# Allegro board gps_interface_boardv51ph.brd (continued)
## Routing (per net, layer and track width the routed paths; a pad name or vN(x,y) marks a point on that pad's centre or on a via; arc(x,y) is an arc through that point) (continued)
VCC3V3: length 439.5
  TOP w0.165: v1(135.89,64.74) C2724.2 C2729.1 136.29,66.97 U104.18 ; v1(22.01,91.28) C272.2 U46.8 ; 140.74,72.41 140.38,72.06 U104.32 ; 140.74,72.41 141.08,72.76 ; 140.74,72.41 140.74,71.78 140.52,71.56 U104.31 ; U107.13 140.15,90.77 140.64,90.27 C2744.1 C2740.2 v1(143.54,90.27) ; U106.5 v1(148.01,95.63) ; 140.46,72.76 141.08,72.76 ; 140.46,72.76 139.66,73.56 139.17,73.56 138.79,73.18 U104.2 ; 140.46,72.76 U104.1 ; 141.08,72.76 C2727.1 C2731.1 C2722.2 C2726.2 v1(146.97,73) ; U49.8 79.32,14.63 C108.1 v1(80.31,14.66) ; R164.1 v1(245.52,81.16) ; R227.1 v1(171.89,81.16) ; U107.5 136.08,92.27 135.61,92.73 C2745.1 C2741.2 v1(132.59,92.73) ; R143.1 v1(267.82,81.16) ; U107.16 139.99,92.27 140.46,92.73 C2743.1 C2739.2 v1(143.54,92.73) ; v1(103.53,37.54) 103.71,37.54 103.88,37.38 C112.1 ; v1(214.96,10.36) C270.2 U53.24 ; R206.1 v1(192.81,80.24) ; v1(122.69,78.73) 122.22,79.2 R24.1 ; R205.1 192.81,87.02 v1(193.12,87.33) ; R142.1 v1(267.77,86.43) ; v1(198.6,10.16) C271.2 U52.24 ; U104.10 134.47,71.56 133.96,71.05 ; U105.5 v1(125.23,123.84) ; R122.1 v1(289.9,81.06) ; U104.12 134.47,70.56 133.98,71.05 133.96,71.05 ; 133.96,71.05 131.65,71.05 C2730.1 C2725.2 v1(130.05,72.19) ; U107.8 136.03,90.77 135.54,90.27 C2746.1 135.1,90.25 C2742.2 v1(132.59,90.25) ; R121.1 v1(289.9,86.35) ; R184.1 v1(216.31,86.45) ; v1(140.18,64.46) C2723.2 C2728.1 139.29,67.46 U104.24 ; R226.1 v1(171.89,86.45) ; R163.1 v1(245.52,86.45) ; v1(97.38,116.15) 97.7,115.83 C113.1 98.45,115.78 U19.24 ; R185.1 v1(216.31,81.16) ; D40.2 v1(115.42,124.94) ; D24.2 v1(239.66,77.13)
  TOP w0.203: D28.2 v1(209.6,78.79) ; R76.2 v1(65.35,11.18) ; D20.2 v1(256.97,77.55) ; R75.2 v1(65.84,7.59) ; U10.10 62.61,85.73 v1(61.26,87.07) ; D42.2 126.47,100.69 v1(127.71,101.93) ; Q11.3 v1(82.98,8.71) ; v1(65.15,14.12) 65.65,14.12 66.03,14.5 R77.2 ; Q12.3 v1(88.01,8.73) ; D32.2 v1(187.3,78.79) ; v1(103.53,37.54) 103.84,37.24 103.84,35.43 U18.15 ; R247.2 v1(195.12,12.94) ; D36.2 v1(165.18,78.79) ; D16.2 v1(279.04,77.44)
  TOP w0.305: L17.1 v1(157.02,101.93) ; L20.1 v1(127.71,101.93) ; v1(276.25,99.34) 276.25,99.89 276.43,100.06 L7.1 276.43,104.58 276.33,104.68 v1(276.33,105.51) ; v1(202.84,98.78) L13.1 v1(201.6,101.93) ; IC2.1 289.34,23.32 289.6,23.57 291.85,23.57 v1(292.35,24.08) ; IC1.1 281.13,22.76 280.67,22.3 v1(280.67,21.49) ; v1(179.17,101.93) L15.1 180.54,99.36 v1(181,98.91) ; v1(266.9,13.18) 266.52,13.56 Q14.3 ; v1(176.71,102.08) L18.1 175.51,100.05 v1(176.07,99.49) ; v1(220.42,99.47) 219.94,99.95 L14.1 v1(221.39,102.08) ; v1(146.91,105.16) 146.28,104.52 L21.1 146.28,100.05 v1(146.84,99.49) ; v1(249.73,105.08) 249.15,104.5 L12.1 249.15,100.03 v1(249.73,99.44) ; R266.2 v1(69.28,133.43) ; v1(272.21,104.95) 271.45,104.19 L10.1 271.45,100.23 v1(272.14,99.54) ; v1(293.95,99.49) 293.52,99.92 L8.1 293.52,104.37 293.83,104.67 v1(293.83,105.26) ; v1(198.4,105.18) 197.64,104.42 L16.1 197.64,100.08 v1(198.25,99.47) ; v1(231.44,104.62) 232.05,104.01 L11.1 v1(232.05,98.7) ; v1(254.08,99.42) 254.36,99.69 L9.1 254.36,104.19 v1(253.62,104.93) ; D1.2 v1(105.47,69.67) ; Q10.3 v1(232.05,5.51)
  TOP w0.33: v1(115.22,37.24) C109.2 115.22,34.71 U17.1
  TOP w0.508: L22.2 v1(184.63,13.72)
  BOTTOM w0.165: R100.2 R98.2 ; v1(264.57,124.26) 264.9,123.92 R145.1 ; R102.2 R103.2
  BOTTOM w0.203: C2712.1 v1(129.77,99.29) ; v1(167.11,123.92) R232.1 R234.1 R230.1 v1(163.25,123.92) ; v1(185.38,123.92) R209.1 R213.1 R211.1 v1(189.24,123.92) ; U32.5 231.58,78.04 v1(232.21,77.42) ; v1(286.54,124.23) 286.85,123.92 R124.1 ; v1(106.83,107.77) 107.07,108.01 R103.2 ; R87.1 v1(85.8,122.91) ; v1(240.56,124.23) 240.49,124.3 240.21,124.3 R169.1 R171.1 R167.1 v1(236.91,123.92) ; v1(137.88,123.92) R2679.1 R2681.1 R2677.1 v1(134.02,123.92) ; 282.35,123.92 R125.1 ; 282.35,123.92 v1(281.29,123.92) ; 282.35,123.92 283.29,123.92 ; v1(211.54,123.92) R190.1 R192.1 R188.1 v1(207.68,123.92) ; R85.1 v1(87.25,122.91) ; R101.2 v1(126.47,111.56) ; R98.2 v1(110.31,110.16) ; v1(180.7,77.42) 180.07,78.04 U40.5 ; v1(242.27,124.16) 242.52,124.16 242.75,123.92 R166.1 ; Q7.3 v1(94.91,97.71) ; R81.2 v1(112.24,31.48) ; C155.1 254.94,99.72 v1(255.27,99.39) ; C202.1 v1(203.43,99.29) ; C248.1 v1(175.03,99.11) ; R88.1 v1(76.53,122.91) ; R252.2 v1(205.82,5.84) ; R97.2 v1(126.47,107.92) ; R251.2 v1(221.16,5.51) ; v1(262.84,124.26) 262.47,124.26 R148.1 R150.1 R146.1 v1(259.21,123.92) ; C247.1 v1(159,99.29) ; v1(248.36,99.34) 248.67,99.65 C179.1 ; R92.1 v1(124.08,118.9) ; U24.5 275.96,77.94 v1(276.58,77.32) ; 283.29,123.92 284.2,123.92 R127.1 284.54,124.26 v1(284.91,124.26) ; 283.29,123.92 R129.1 ; U28.5 253.89,78.04 v1(254.51,77.42) ; R38.2 v1(94.77,101.32) ; C178.1 v1(232.64,99.29) ; C225.1 197.16,99.98 v1(196.8,99.62) ; C201.1 v1(219.46,99.11) ; R2676.1 v1(138.95,123.92) ; v1(203,77.42) 202.37,78.04 U36.5 ; R208.1 v1(190.3,123.92) ; R99.2 v1(126.47,109.75) ; R246.2 v1(207.47,5.84) ; R187.1 v1(212.61,123.92) ; R86.1 v1(75.03,122.91) ; R91.1 v1(116,118.9) ; U44.5 v1(157.95,77.98) ; R83.1 v1(88.72,122.91) ; R245.2 v1(219.38,5.49) ; C132.1 293.04,99.82 v1(292.74,99.52) ; R90.1 v1(78.08,122.91) ; R229.1 v1(168.18,123.92) ; R84.1 v1(73.51,122.91) ; C156.1 v1(270.97,99.11) ; C133.1 277.01,99.67 v1(277.42,99.26) ; v1(130.3,77.37) 129.46,78.21 C22.1 128.2,77.42 128.43,77.19 L5.1 v1(130.1,76.12) ; R96.2 v1(110.26,108.41) ; C2713.1 v1(145.8,99.11) ; C224.1 181.13,99.85 v1(181.76,99.21) ; R89.1 v1(84.33,122.91)
  BOTTOM w0.305: C7.1 v1(88.8,127.61) ; L1.1 v1(86.21,127.1) ; 27.74,75.18 27.74,72.72 ; 27.74,75.18 Q4.3 ; 27.74,75.18 v1(27.74,89.81) ; 27.74,72.72 26.95,71.93 R50.2 ; 27.74,72.72 27.74,70.99 31.04,67.69 31.04,35.64 28.93,33.53 13.59,33.53 10.72,30.66 10.72,28.93 8.53,26.75 5.46,26.75 4.97,27.24 Q3.3 4.97,32.32 R40.2 ; Q1.3 v1(100.75,62.38) ; v1(280.67,21.49) 271.22,21.49 269.93,22.78 269.93,24.6 270.59,25.27 R107.2 ; Q5.3 v1(59.56,102.72) ; Q6.3 v1(59.36,69.22) ; R61.2 57.84,66.07 58.24,66.47 v1(58.88,66.47) ; R111.2 301.4,26.54 300.13,27.81 296.09,27.81 v1(292.35,24.08) ; C117.1 P1.9 ; R56.2 v1(58.17,99.52) ; v1(93.17,69.27) C13.1 94.84,68.42 94.55,68.14 L3.1 v1(92.81,67.11)
  vias: v1(57.84,87.07) v1(58.93,88.44) v1(58.93,87.07) v1(58.98,89.79) v1(60.05,88.47) v1(60.07,89.79) v1(60.07,87.07) v1(61.21,89.79) v1(61.26,88.52)
VCC3V3_LFILT: length 10.7
  TOP w0.305: U1.2 80.84,134.62 v1(81.75,135.53)
  BOTTOM w0.305: L1.2 86.21,131.47 86.21,131.47 C9.1 84.89,133.32 84.28,133.93 83.29,133.93 C8.1 83.24,134.92 82.63,135.53 v1(81.75,135.53)
VCC5V: length 123
  TOP w0.203: v1(54.61,59.41) 55.65,59.41 56.47,58.59 U13.12 ; U8.10 26.03,65.55 26.04,65.56 ; U10.12 62.38,80.55 61.32,79.49 v1(61.32,77.6) 61.32,72.16 60.35,71.2 v1(52.86,71.2) 27.64,71.2 v1(25.83,69.39)
  TOP w0.305: R265.1 v1(69.33,134.8)
  TOP w0.33: P1.11 278.23,12.4 276.71,13.92 276.71,16.33 278.87,18.49 278.87,38.4 284.2,43.74 P2.6
  BOTTOM w0.203: C69.2 v1(61.32,77.6) ; C84.2 54.93,58.6 54.61,58.92 v1(54.61,59.41) 53.8,59.41 52.86,60.35 v1(52.86,71.2)
  BOTTOM w0.305: C116.1 278.26,10.36 278.23,10.34 P1.11 ; L2.1 v1(25.36,140.21) ; C10.2 v1(27.77,140.39)
  vias: v1(22.45,68.07) v1(22.45,66.67) v1(23.55,68.05) v1(23.55,66.67) v1(23.6,69.39) v1(24.69,69.39) v1(24.66,68.07) v1(24.69,66.67) v1(25.88,68.12) v1(25.88,66.67)
VCC5V_LFILT: length 37
  TOP w0.203: U2.1 18.23,133.76 v1(19.03,134.57)
  TOP w0.305: U3.1 43.69,133.74 43.7,133.73 v1(44.51,133.73)
  BOTTOM w0.305: C12.2 25.35,134.53 25.36,134.53 L2.2 ; C11.2 v1(44.51,133.73)
  BOTTOM w0.381: C11.2 45.83,132.7 44.7,131.57 26.29,131.57 25.35,132.51 C12.2 19.9,133.71 v1(19.03,134.57)
VCCR_SFP INTERFACE_ACLK SFP: length 23.1
  TOP w0.305: L20.2 132.23,103.48 v1(133.32,104.57) ; v1(136.7,114.02) 137.21,113.51 J30.15
  SIG w0.17: v1(133.32,104.57) 133.1,104.8 v1(132.13,104.8) 132.13,107.95 133.17,108.99 134.44,108.99 135.94,110.49 135.94,113.26 v1(136.7,114.02)
  BOTTOM w0.203: v1(132.13,104.8) 131.68,104.35 C2717.2
  BOTTOM w0.33: v1(136.7,114.02) 136.7,116.69 C2714.2
VCCR_SFP INTERFACE_SFP1: length 12.6
  TOP w0.305: v1(280.01,99.42) 279.48,99.95 L7.2 279.48,103.63 v1(280.42,104.57) ; J13.15 284.48,113.56 v1(283.97,114.07)
  BOTTOM w0.203: C134.2 v1(278.93,104.99)
  BOTTOM w0.33: v1(283.97,114.07) 283.97,116.77 C135.2
VCCR_SFP INTERFACE_SFP2: length 12.8
  TOP w0.305: v1(258.17,104.78) 257.4,104.01 L9.2 257.4,99.8 v1(257.84,99.36) ; J14.15 262.41,113.51 v1(261.9,114.02)
  BOTTOM w0.203: C157.2 v1(256.85,105.11)
  BOTTOM w0.33: v1(261.9,114.02) 261.9,116.77 C158.2
VCCR_SFP INTERFACE_SFP3: length 12.5
  TOP w0.305: v1(239.6,114.02) 240.11,113.51 J18.15 ; v1(235.86,104.57) 235.1,103.81 L11.2 235.1,99.82 v1(235.51,99.42)
  BOTTOM w0.203: C180.2 v1(234.55,105.11)
  BOTTOM w0.33: C181.2 239.6,116.77 v1(239.6,114.02)
VCCR_SFP INTERFACE_SFP4: length 12.6
  TOP w0.305: v1(206.3,99.42) 205.89,99.82 L13.2 205.89,103.84 v1(206.68,104.62) ; J19.15 210.87,113.51 v1(210.36,114.02)
  BOTTOM w0.203: C203.2 v1(205.34,105.11)
  BOTTOM w0.33: v1(210.36,114.02) 210.36,116.79 C204.2
VCCR_SFP INTERFACE_SFP5: length 12.6
  TOP w0.305: v1(184.4,104.62) 183.59,103.81 L15.2 183.59,99.82 v1(184,99.42) ; v1(188.06,114.02) 188.57,113.51 J20.15
  BOTTOM w0.203: C226.2 v1(183.04,105.11)
  BOTTOM w0.33: v1(188.06,114.02) 188.06,116.71 C227.2
VCCR_SFP INTERFACE_SFP6: length 12.6
  TOP w0.305: J21.15 166.45,113.51 v1(165.94,114.02) ; v1(161.93,99.39) 161.47,99.85 L17.2 161.47,103.48 v1(162.56,104.57)
  BOTTOM w0.203: v1(161.37,104.8) 160.92,104.35 C249.2
  BOTTOM w0.33: C250.2 165.94,116.69 v1(165.94,114.02)
VCCT_SFP INTERFACE_ACLK SFP: length 22.1
  TOP w0.305: J30.16 138.01,113.58 v1(138.43,114) ; v1(142.57,104.8) 143.23,104.14 L21.2
  SIG w0.17: v1(138.43,114) 138.43,108.94 v1(142.57,104.8) 143.01,105.24 v1(143.81,105.24)
  BOTTOM w0.203: C2719.2 v1(143.81,105.24)
  BOTTOM w0.33: C2718.2 138.48,114.04 v1(138.43,114)
VCCT_SFP INTERFACE_SFP1: length 12.6
  TOP w0.305: v1(289.94,104.95) 290.47,104.42 L8.2 290.47,99.82 v1(290.14,99.49) ; J13.16 285.28,113.63 v1(285.7,114.05)
  BOTTOM w0.203: C137.2 v1(291.05,105.14)
  BOTTOM w0.33: C136.2 285.7,116.91 v1(285.7,114.05)
VCCT_SFP INTERFACE_SFP2: length 11.9
  TOP w0.305: v1(267.92,100.25) 268.4,100.74 L10.2 268.4,103.94 v1(267.56,104.78) ; J14.16 263.21,113.58 v1(263.63,114)
  BOTTOM w0.203: C160.2 v1(268.98,105.24)
  BOTTOM w0.33: C159.2 263.63,116.91 v1(263.63,114)
VCCT_SFP INTERFACE_SFP3: length 12.5
  TOP w0.305: v1(245.19,104.72) 246.1,103.81 L12.2 246.1,100 v1(245.69,99.59) ; v1(241.33,114) 240.91,113.58 J18.16
  BOTTOM w0.203: C183.2 v1(246.68,105.24)
  BOTTOM w0.33: v1(241.33,114) 241.33,116.91 C182.2
VCCT_SFP INTERFACE_SFP4: length 12.9
  TOP w0.305: v1(212.09,114) 211.67,113.58 J19.16 ; v1(217.32,99.54) 216.89,99.97 L14.2 216.89,103.94 v1(215.77,105.05)
  BOTTOM w0.203: C206.2 v1(217.47,105.24)
  BOTTOM w0.33: v1(212.09,114) 212.09,116.94 C205.2
VCCT_SFP INTERFACE_SFP5: length 10.5
  TOP w0.305: J20.16 189.37,113.58 v1(189.79,114) ; v1(194.23,99.75) 194.59,100.1 L16.2 v1(193.29,102.08)
  BOTTOM w0.203: C229.2 v1(195.16,105.24)
  BOTTOM w0.33: v1(189.79,114) 189.79,116.91 C228.2
VCCT_SFP INTERFACE_SFP6: length 9.8
  TOP w0.305: v1(171.81,104.8) 172.47,104.14 L18.2 ; v1(167.67,114) 167.25,113.58 J21.16
  BOTTOM w0.203: C252.2 v1(173.04,105.24)
  BOTTOM w0.33: C251.2 167.67,116.92 v1(167.67,114)
VDD_FILT: length 25.5
  TOP w0.165: v1(117.75,76.56) 118.5,75.81 118.5,75.39 U48.32 ; v1(123,82.16) C18.2 122.88,82.63 U48.46
  TOP w0.203: U48.60 113.01,83.59 v1(112.56,83.15)
  BOTTOM w0.165: C20.2 113,83.59 v1(112.56,83.15) ; v1(123,82.16) 123,79.8 123.47,79.32 123.47,75.97 121.35,73.85 C19.2 118.52,75.79 v1(117.75,76.56)
  vias: v1(104.27,90.35) v1(104.27,89.66) v1(105.03,90.35) v1(105.03,89.66)
VDDA_FILT: length 25.3
  TOP w0.165: v1(102.43,77.64) C15.2 C14.2 104.65,77.63 U48.13
  BOTTOM w0.305: C16.1 96.55,66.07 96.55,66.08 L3.2 97.92,67.11 98.2,67.39 98.2,76.12 99.71,77.64 v1(102.43,77.64)
VDDO_FILT: length 83
  TOP w0.165: 118.01,79.15 118.01,79.16
  TOP w0.203: 118.86,77.63 118.77,77.54 118.75,77.54 118.6,77.39 118.6,77.37 118.52,77.29 118.52,76.38 118.76,76.13 U48.33 119.26,75.77 119.91,75.12 v1(119.91,75.01) ; 118.86,77.63 118.48,77.63 118.01,78.11 118.01,79.15 ; 118.86,77.63 U48.36 ; v1(118.01,79.63) 118.01,80.7 118.45,81.13 U48.43 ; v1(118.01,79.63) 118.01,79.16 ; v1(118.01,79.63) U48.40 ; U48.26 115.51,76 115.49,76.02 v1(115.49,76.49) ; v1(118.19,83.34) 118.51,83.66 U48.49 ; v1(115.06,83.32) 114.51,83.88 U48.57 ; v1(113.92,76.5) 113.51,76.09 U48.22 ; v1(116.66,76.5) 117.01,76.16 U48.29
  TOP w0.254: v1(118.19,83.34) 118.17,83.32 117.19,83.32 117.01,83.5 U48.52
  BOTTOM w0.165: 114,76.49 113.98,76.5 v1(113.92,76.5) 113.51,76.1 C27.2 ; v1(118.01,79.63) 118.49,79.63 118.51,79.65 C26.2 ; v1(118.19,83.34) 118.19,84.99 118.44,85.24 C23.2 ; v1(116.66,76.5) 117.02,76.15 C25.2 ; v1(119.91,75.01) 120.81,75.9 C24.2 ; v1(115.06,83.32) 114.53,83.86 C28.2 ; 126.43,75.16 126.44,75.16
  BOTTOM w0.203: v1(118.19,83.34) 117.71,83.34 117.7,83.32 v1(115.06,83.32) ; v1(116.66,76.5) 116.17,76.5 116.15,76.49 v1(115.49,76.49) 114,76.49
  BOTTOM w0.305: v1(115.49,76.49) 115.49,75.95 115.82,75.62 115.82,72.39 116.43,71.78 120.55,71.78 122.83,74.07 C29.1 126.44,75.16 ; L5.2 126.43,75.16
  BOTTOM w0.343: 124.09,83.41 124.09,85.79 123.11,86.77 120.35,86.77 119.54,85.96 C23.2 ; 124.09,83.41 123.48,84.02 122.61,84.02 120.81,82.23 C26.2 ; 124.09,83.41 124.09,76.78 124.74,76.12 L5.2
A0_1: length 3
  TOP w0.203: U53.21 214.4,13.89 214.34,13.84 R248.1
A0_2: length 3.7
  TOP w0.203: U52.21 197.15,13.77 197.09,13.84 R247.1
A0_2V5: length 1.5
  TOP w0.203: R59.2 54.58,56.9 54.64,56.85 U13.2
A0_3V3: length 2
  TOP w0.203: U10.3 64.51,78.18 64.51,78.18 R55.2
A0_5V: length 1.5
  TOP w0.203: R48.2 23.13,62.14 23.19,62.08 U8.2
A0_BID: length 4.8
  TOP w0.203: U49.1 70.82,14.63 70.69,14.5 R77.1 R73.2
A1_1: length 3.5
  TOP w0.203: U53.2 224.11,12.59 224.16,12.54 R249.1
A1_2: length 3.5
  TOP w0.203: R250.1 208.43,12.54 207.95,12.06 207.21,12.06 206.81,12.47 U52.2
A1_2V5: length 2.1
  TOP w0.203: U13.3 54.65,56.35 54.64,56.34 54.24,56.34 54.05,56.15 R60.2
A1_5V: length 1.8
  TOP w0.203: R49.2 22.63,60.98 23.23,61.58 U8.3
A1_BID: length 5
  TOP w0.203: R76.1 R72.2 69.37,12.6 70.13,13.36 U49.2
A2_BID: length 7
  TOP w0.203: R75.1 R71.2 69.29,8.99 70.05,9.75 70.05,11.58 70.56,12.09 U49.3
ACLK_TO_CDR_N: length 29.3
  TOP w0.203: U104.4 137.79,73.76 137.82,73.79
  TOP w0.33: 137.82,73.79 137.82,75.25 137.18,75.9 135.48,75.9 135,76.38 135,79.65 135.33,79.98 136.9,79.98 137.27,79.61 137.27,78.6 v1(136.83,78.16) 137.27,77.72 137.27,77.3 137.92,76.66 139.52,76.66 142.33,79.46 144.6,79.46 144.93,79.13 TP765.1
  BOTTOM w0.33: v1(136.83,78.16) 137.27,78.6 137.27,80.78 136.8,81.25 C2747.2
ACLK_TO_CDR_P: length 30.1
  TOP w0.203: 137.29,73.77 137.29,73.76 U104.5
  TOP w0.33: TP764.1 144.93,80.33 144.6,80 142.11,80 139.3,77.19 138.14,77.19 137.81,77.53 137.81,77.72 v1(138.25,78.16) 137.81,78.6 137.81,79.83 137.12,80.52 135.11,80.52 134.47,79.88 134.47,76.16 135.26,75.36 136.96,75.36 137.29,75.03 137.29,73.77
  BOTTOM w0.33: C2748.2 138.28,81.25 137.81,80.78 137.81,78.6 v1(138.25,78.16)
BNC_DIR: length 11.5
  TOP w0.203: J15.2 296.75,20.55 296.77,20.57 J16.2 295.33,25.83 IC2.5
CDR_ADDR: length 4.7
  TOP w0.17: U104.19 136.79,63.94 136.6,63.75 136.11,63.75 R2688.1
CLK_FDBACK_N: length 3.3
  TOP w0.165: U48.62 111.99,84.4 111.99,85.63 111.79,85.83 R31.2 111.87,86.41 111.87,86.95 111.79,87.04 C37.2
CLK_FDBACK_P: length 3.4
  TOP w0.165: C36.2 112.85,87.22 112.57,86.94 112.57,86.45 R31.1 112.69,85.83 112.5,85.63 112.5,84.39 U48.61
CLK_FROM_FPGA_N: length 8.7
  TOP w0.203: U48.15 109.25,76.63 109.23,76.62
  TOP w0.33: 109.23,76.62 108.37,76.62 107.75,76 107.75,75.39 ; C2736.2 104.64,73.15 106.65,73.15 107.75,74.24 107.75,75.39 ; 107.75,75.39 R2692.2
CLK_FROM_FPGA_P: length 8.7
  TOP w0.203: U48.14 109.25,77.13 109.23,77.15
  TOP w0.33: 107.21,75.42 R2692.1 ; 107.21,75.42 107.21,76.22 108.15,77.15 109.23,77.15 ; 107.21,75.42 107.21,74.47 106.43,73.69 104.74,73.69 C2735.2
CLK_TO_SFP.CLK_TO_SFP_N0: length 212
  TOP w0.178: 282.13,80.98 282.13,81.01 282.12,81.02 282.12,81.8 282.11,81.81 U22.7
  TOP w0.203: U48.23 114.01,74.38 113.99,74.36
  TOP w0.33: v1(112.36,54.2) 112.8,54.64 112.8,70.73 113.99,71.92 113.99,74.36 ; v1(282.57,79.8) 282.13,80.24 282.13,80.98
  SIG w0.203: v1(112.36,54.2) 112.86,53.7 112.86,53.1 113.31,52.65 151.5,52.65 160.67,61.82 195.55,61.82 v1(195.99,61.39)
  BOTTOM w0.33: v1(282.57,79.8) 282.14,79.37 282.14,72.03 279.78,69.67 254.91,69.67 247,61.76 196.98,61.76 196.61,61.39 v1(195.99,61.39)
CLK_TO_SFP.CLK_TO_SFP_N1: length 185.6
  TOP w0.178: U26.7 260.04,81.91 260.05,81.9 260.05,81.12 260.06,81.11 260.06,81.08
  TOP w0.203: U48.27 116.01,74.38 115.99,74.36
  TOP w0.33: v1(260.5,79.9) 260.06,80.34 260.06,81.08 ; v1(114.22,56.11) 114.66,56.55 114.66,69.23 115.99,70.57 115.99,74.36
  SIG w0.203: v1(194.56,63.29) 194.13,63.73 160.24,63.73 150.82,54.31 115.16,54.31 114.72,54.75 114.72,55.61 v1(114.22,56.11)
  BOTTOM w0.33: v1(194.56,63.29) 195.19,63.29 195.56,63.67 243.7,63.67 251.92,71.88 259.31,71.88 260.06,72.63 260.06,79.46 v1(260.5,79.9)
CLK_TO_SFP.CLK_TO_SFP_N2: length 165.7
  TOP w0.178: U30.7 237.74,81.91 237.74,81.9 237.74,81.12 237.76,81.11 237.76,81.08
  TOP w0.203: 117.49,74.36 117.51,74.38 U48.30
  TOP w0.33: 117.49,74.36 117.49,69.68 116.56,68.75 116.56,58.55 v1(116.12,58.12) ; 237.76,81.08 237.76,80.34 v1(238.2,79.9)
  SIG w0.203: v1(116.12,58.12) 116.62,57.61 116.62,56.75 117.07,56.31 150.14,56.31 160.1,66.27 195.17,66.27 v1(195.61,65.83)
  BOTTOM w0.33: v1(195.61,65.83) 196.23,65.83 196.6,66.21 239.27,66.21 241.05,67.98 241.05,74.35 237.76,77.64 237.76,79.46 v1(238.2,79.9)
CLK_TO_SFP.CLK_TO_SFP_N3: length 134.8
  TOP w0.178: U34.7 208.53,81.91 208.53,81.9 208.53,81.12 208.55,81.11 208.55,81.08
  TOP w0.203: U48.34 120.26,76.63 120.28,76.62 121.13,76.62
  TOP w0.33: v1(118.03,59.87) 118.47,60.31 118.47,67.38 121.92,70.83 121.92,75.83 121.13,76.62 ; v1(208.99,79.9) 208.55,80.34 208.55,81.08
  SIG w0.203: v1(195.05,68.32) 194.61,68.76 160.49,68.76 150.13,58.39 118.97,58.39 118.53,58.84 118.53,59.36 v1(118.03,59.87)
  BOTTOM w0.33: v1(195.05,68.32) 195.67,68.32 196.04,68.69 210.19,68.69 211.86,70.37 211.86,73.86 208.55,77.18 208.55,79.46 v1(208.99,79.9)
CLK_TO_SFP.CLK_TO_SFP_N4: length 103.1
  TOP w0.178: U38.7 186.23,81.91 186.23,81.9 186.23,81.12 186.25,81.11 186.25,81.08
  TOP w0.203: U48.37 119.28,78.16 120,78.16 120.1,78.05 121.47,78.05 121.53,77.99
  TOP w0.33: 121.53,77.99 123.49,76.03 123.49,69.44 120.6,66.54 120.6,62.06 v1(120.16,61.62) ; v1(186.69,79.9) 186.25,80.34 186.25,81.08
  SIG w0.203: v1(120.16,61.62) 120.66,61.12 120.66,60.41 121.1,59.97 149.5,59.97 160.38,70.84 183.1,70.84 186.18,73.92 186.18,79.4 v1(186.69,79.9)
CLK_TO_SFP.CLK_TO_SFP_N5: length 78.1
  TOP w0.178: U42.7 164.11,81.91 164.11,81.9 164.11,81.12 164.12,81.11 164.12,81.08
  TOP w0.203: U48.41 120.26,80.13 120.28,80.12 121.14,80.12 121.35,79.9 122.97,79.9 123.04,79.84
  TOP w0.33: v1(122.78,63.2) 123.22,63.63 123.22,66.34 125.04,68.17 125.04,77.83 123.04,79.84 ; 164.12,81.08 164.12,80.34 v1(164.56,79.9)
  SIG w0.203: v1(122.78,63.2) 123.28,62.69 123.28,61.71 123.72,61.26 149,61.26 163.98,76.25 163.98,79.32 v1(164.56,79.9)
CLK_TO_SFP.CLK_TO_SFP_P0: length 210.5
  TOP w0.178: U22.6 281.61,81.82 281.6,81.8 281.6,80.98
  TOP w0.203: 114.52,74.36 114.51,74.38 U48.24
  TOP w0.33: v1(113.77,54.2) 113.33,54.64 113.33,70.51 114.52,71.7 114.52,74.36 ; v1(281.16,79.8) 281.6,80.24 281.6,80.98
  SIG w0.203: v1(195.99,62.66) 195.55,62.23 160.5,62.23 151.33,53.06 113.47,53.06 113.27,53.26 113.27,53.7 v1(113.77,54.2)
  BOTTOM w0.33: v1(281.16,79.8) 281.61,79.35 281.61,72.26 279.56,70.21 254.69,70.21 246.78,62.29 196.98,62.29 196.61,62.66 v1(195.99,62.66)
CLK_TO_SFP.CLK_TO_SFP_P1: length 184
  TOP w0.178: U26.6 259.54,81.92 259.52,81.9 259.52,81.08
  TOP w0.203: U48.28 116.51,74.38 116.52,74.36
  TOP w0.33: 116.52,74.36 116.52,70.35 115.19,69.01 115.19,56.55 v1(115.63,56.11) ; 259.52,81.08 259.52,80.34 v1(259.08,79.9)
  SIG w0.203: v1(194.56,64.57) 194.13,64.14 160.07,64.14 150.65,54.71 115.33,54.71 115.13,54.91 115.13,55.61 v1(115.63,56.11)
  BOTTOM w0.33: v1(194.56,64.57) 195.19,64.57 195.56,64.2 243.48,64.2 251.7,72.42 259.09,72.42 259.52,72.85 259.52,79.46 v1(259.08,79.9)
CLK_TO_SFP.CLK_TO_SFP_P2: length 164.2
  TOP w0.178: 237.22,81.08 237.22,81.9 237.24,81.92 U30.6
  TOP w0.203: 118.02,74.36 118.01,74.38 U48.31
  TOP w0.33: 118.02,74.36 118.02,69.46 117.09,68.53 117.09,58.55 v1(117.53,58.12) ; v1(236.78,79.9) 237.22,80.34 237.22,81.08
  SIG w0.203: v1(195.61,67.11) 195.17,66.67 159.93,66.67 149.97,56.72 117.23,56.72 117.03,56.92 117.03,57.61 v1(117.53,58.12)
  BOTTOM w0.33: v1(195.61,67.11) 196.23,67.11 196.6,66.74 239.05,66.74 240.51,68.2 240.51,74.12 237.22,77.41 237.22,79.46 v1(236.78,79.9)
CLK_TO_SFP.CLK_TO_SFP_P3: length 134.1
  TOP w0.178: 208.01,81.08 208.01,81.9 208.03,81.92 U34.6
  TOP w0.203: U48.35 120.26,77.13 120.28,77.15 121.35,77.15
  TOP w0.33: 121.35,77.15 122.45,76.05 122.45,70.61 119,67.16 119,60.31 v1(119.44,59.87) ; 208.01,81.08 208.01,80.34 v1(207.57,79.9)
  SIG w0.203: v1(195.05,69.6) 194.61,69.16 160.32,69.16 149.96,58.8 119.14,58.8 118.94,59 118.94,59.36 v1(119.44,59.87)
  BOTTOM w0.33: v1(195.05,69.6) 195.67,69.6 196.04,69.23 209.97,69.23 211.33,70.59 211.33,73.64 208.01,76.96 208.01,79.46 v1(207.57,79.9)
CLK_TO_SFP.CLK_TO_SFP_P4: length 102.6
  TOP w0.178: 185.71,81.08 185.71,81.9 185.73,81.92 U38.6
  TOP w0.203: 121.82,78.46 120.27,78.46 120.17,78.56 119.33,78.56 U48.38
  TOP w0.33: v1(121.57,61.62) 121.13,62.06 121.13,66.32 124.03,69.22 124.03,76.25 121.82,78.46 ; v1(185.27,79.9) 185.71,80.34 185.71,81.08
  SIG w0.203: v1(121.57,61.62) 121.07,61.12 121.07,60.58 121.27,60.38 149.34,60.38 160.21,71.25 182.93,71.25 185.78,74.09 185.78,79.4 v1(185.27,79.9)
CLK_TO_SFP.CLK_TO_SFP_P5: length 77.5
  TOP w0.178: 163.59,81.08 163.59,81.9 163.61,81.92 U42.6
  TOP w0.203: U48.42 120.26,80.63 120.28,80.65 121.18,80.65 121.52,80.31 122.84,80.31 122.97,80.31 123.23,80.31 123.31,80.24 123.4,80.24 123.41,80.22
  TOP w0.33: v1(163.15,79.9) 163.59,80.34 163.59,81.08 ; 123.41,80.22 125.58,78.05 125.58,67.94 123.75,66.12 123.75,63.63 v1(124.19,63.2)
  SIG w0.203: v1(124.19,63.2) 123.69,62.69 123.69,61.87 123.89,61.67 148.83,61.67 163.58,76.42 163.58,79.47 v1(163.15,79.9)
CML_SFP_TD_N_SFP INTERFACE_SFP1: length 5
  TOP w0.178: U22.10 284.84,83.77 R120.2
  TOP w0.33: C141.1 287.03,83.19 286.75,83.46 285.94,83.46 R120.2
CML_SFP_TD_N_SFP INTERFACE_SFP2: length 5
  TOP w0.178: U26.10 262.77,83.87 R141.2
  TOP w0.33: R141.2 263.87,83.57 264.68,83.57 264.96,83.29 C164.1
CML_SFP_TD_N_SFP INTERFACE_SFP3: length 5
  TOP w0.178: U30.10 240.47,83.87 R162.2
  TOP w0.33: R162.2 241.57,83.57 242.38,83.57 242.66,83.29 C187.1
CML_SFP_TD_N_SFP INTERFACE_SFP4: length 5
  TOP w0.178: R183.2 211.26,83.87 U34.10
  TOP w0.33: R183.2 212.36,83.57 213.17,83.57 213.45,83.29 C210.1
CML_SFP_TD_N_SFP INTERFACE_SFP5: length 5
  TOP w0.178: R204.2 188.96,83.87 U38.10
  TOP w0.33: C233.1 191.14,83.29 190.86,83.57 190.05,83.57 R204.2
CML_SFP_TD_N_SFP INTERFACE_SFP6: length 5
  TOP w0.178: U42.10 166.84,83.87 R225.2
  TOP w0.33: C256.1 169.02,83.29 168.74,83.57 167.93,83.57 R225.2
CML_SFP_TD_P_SFP INTERFACE_SFP1: length 4.9
  TOP w0.178: R119.2 285.33,84.27 U22.11
  TOP w0.33: C140.1 287.03,84.28 286.75,84 286.04,84 R119.2
CML_SFP_TD_P_SFP INTERFACE_SFP2: length 4.9
  TOP w0.178: R140.2 263.25,84.37 U26.11
  TOP w0.33: R140.2 263.97,84.1 264.68,84.1 264.96,84.38 C163.1
CML_SFP_TD_P_SFP INTERFACE_SFP3: length 4.9
  TOP w0.178: U30.11 240.95,84.37 R161.2
  TOP w0.33: C186.1 242.66,84.38 242.38,84.1 241.67,84.1 R161.2
CML_SFP_TD_P_SFP INTERFACE_SFP4: length 4.9
  TOP w0.178: U34.11 211.74,84.37 R182.2
  TOP w0.33: R182.2 212.46,84.1 213.17,84.1 213.45,84.38 C209.1
CML_SFP_TD_P_SFP INTERFACE_SFP5: length 4.9
  TOP w0.178: R203.2 189.44,84.37 U38.11
  TOP w0.33: C232.1 191.14,84.38 190.86,84.1 190.16,84.1 R203.2